# Altium PCB Evaluation Board.PcbDoc (part 18 of 22) (continued)
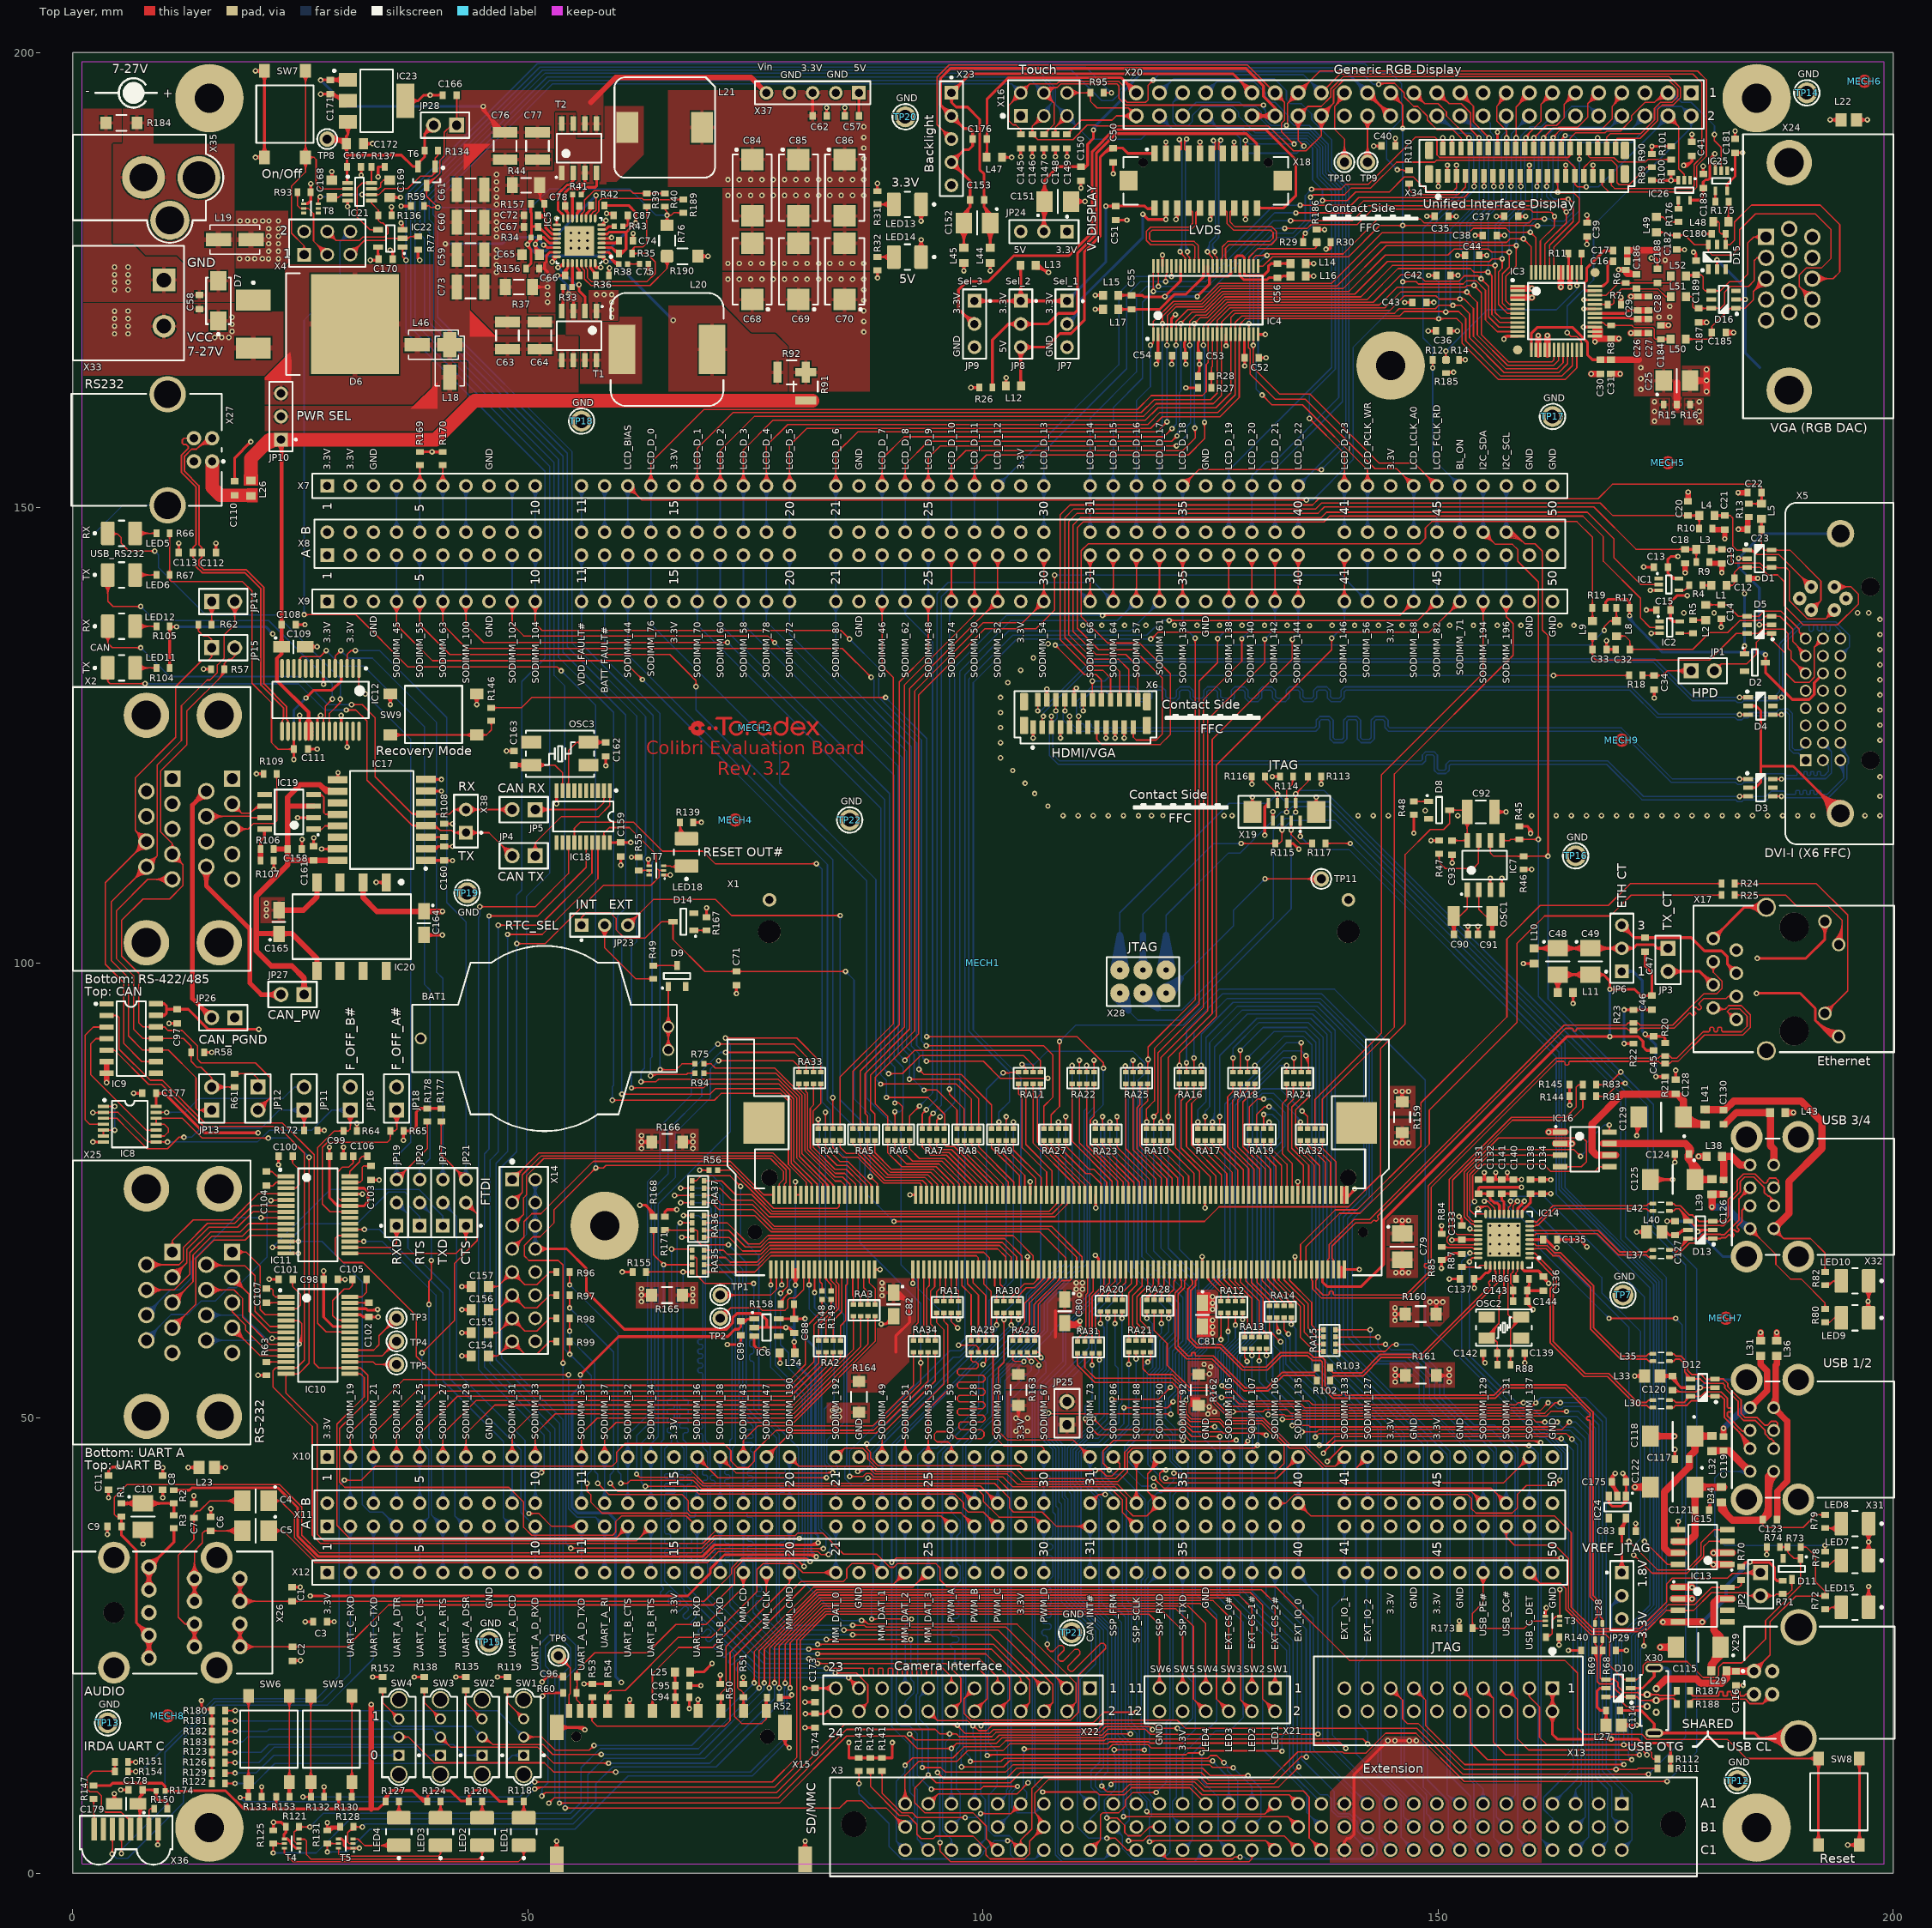
[diagram p0: Top Layer view]
## Nets (pads, with @x,y where several pads share a name; then routed paths per layer and width w, separated by ;. In a path a pad name is that pad's centre, name@x,y a point inside that pad or via, vN(x,y) a via of type N, cw(c..) or ccw(c..) an arc to the next point about the centre after c; other vN are vias at no path point) (continued)
  Bottom Layer w0.15: v2@113.43,6.23 ccw(c113.046,6.614) 113.589,6.614 ccw(c114.132,6.614) v2@113.748,6.23 ; v2(113.589,6.071) 113.589,6.689 113.325,6.952 113.325,8.024 114.575,9.274 114.575,12.702 114.402,12.875 v1(114.402,13.564) ; v1@113.868,44.073 cw(c113.868,43.529) 114.252,43.913 cw(c114.636,44.298) v1@114.093,44.298 ; v1(113.868,44.298) 114.376,43.79 115.069,43.79 117.815,41.044 117.815,32.616 117.375,32.176 117.375,16.168 117.729,15.814 v1(117.729,13.538) ; v1@114.243,13.405 cw(c113.858,13.02) 114.402,13.02 cw(c114.945,13.02) v1@114.561,13.405 ; v1@117.57,13.697 ccw(c117.186,14.081) 117.729,14.081 ccw(c118.272,14.081) v1@117.888,13.697 ; v1@120.198,82.95 cw(c119.814,82.566) 120.358,82.566 cw(c120.901,82.566) v1@120.517,82.95 ; v1(120.358,83.109) 120.358,68.659 123.325,65.692 123.325,57.947 122.139,56.761 122.139,52.6 121.8,52.261 121.8,51.3 122.166,50.934 122.166,47.744 v1(121.945,47.523) ; v1@121.786,47.682 ccw(c120.871,48.598) 122.166,48.598 ; v1@121.892,47.576 ccw(c121.233,48.236) 122.166,48.236 ; v1@121.998,47.47 ccw(c121.595,47.874) 122.166,47.874 ; v1(133.975,135.525) 134.62,136.17 X9.40@134.62,139.7 ; v1@133.975,135.75 ccw(c133.975,136.293) 134.359,135.909 ccw(c134.743,135.525) v1@134.2,135.525 ; X9.40@134.143,139.223 cw(c132.99,138.07) 134.62,138.07 cw(c136.25,138.07) X9.40@135.097,139.223 ; X9.40@134.249,139.329 cw(c133.353,138.433) 134.62,138.433 cw(c135.887,138.433) X9.40@134.991,139.329 ; X9.40@134.355,139.435 cw(c133.715,138.795) 134.62,138.795 cw(c135.525,138.795) X9.40@134.885,139.435
SODIMM_144_S: RA10.4 X1.144 | length 8.2
  Top Layer w0.15: RA10.4@120.234,80.369 cw(c119.935,80.07) 120.358,80.07 cw(c120.78,80.07) RA10.4@120.481,80.369 ; RA10.4@120.358,80.493 120.358,79.693 123.182,76.868 X1.144@123.182,74.516 ; X1.144@123.111,75.412 ccw(c122.941,75.583) 123.182,75.583 ccw(c123.423,75.583) X1.144@123.253,75.412
SODIMM_146: RA16.5 X3.A21 X8.A41 X9.41 | length 193.5
  Top Layer w0.15: v1(120.955,43.942) 131.992,43.942 133.055,45.005 133.055,46.896 131.64,48.312 131.64,48.325 130.57,49.395 126.524,49.395 126.019,49.9 122.875,49.9 122.325,50.45 v1(122.325,51.975) ; v1@121.114,43.783 cw(c121.498,43.399) 121.498,43.942 cw(c121.498,44.485) v1@121.114,44.101 ; v1@121.405,88.881 ccw(c121.021,89.265) 121.564,89.265 ccw(c122.108,89.265) v1@121.723,88.881 ; RA16.5@121.441,88.114 ccw(c121.142,88.413) 121.564,88.413 ccw(c121.987,88.413) RA16.5@121.688,88.114 ; RA16.5@121.564,87.99 v1(121.564,88.722) 121.564,90.064 125.625,94.125 125.625,121.725 138.3,134.4 v1(138.3,135.675) ; v1@138.141,135.516 cw(c137.757,135.132) 138.3,135.132 cw(c138.843,135.132) v1@138.459,135.516 ; X9.41@139.223,140.177 ccw(c138.07,141.33) 139.7,141.33 ccw(c141.33,141.33) X9.41@140.177,140.177 ; X8.A41@139.223,144.303 cw(c138.07,143.15) 139.7,143.15 cw(c141.33,143.15) X8.A41@140.177,144.303 ; X9.41@139.329,140.071 ccw(c138.433,140.967) 139.7,140.967 ccw(c140.967,140.967) X9.41@140.071,140.071 ; X8.A41@139.329,144.409 cw(c138.433,143.513) 139.7,143.513 cw(c140.967,143.513) X8.A41@140.071,144.409 ; X9.41@139.435,139.965 ccw(c138.795,140.605) 139.7,140.605 ccw(c140.605,140.605) X9.41@139.965,139.965 ; X8.A41@139.435,144.515 cw(c138.795,143.875) 139.7,143.875 cw(c140.605,143.875) X8.A41@139.965,144.515 ; X9.41@139.7,139.7 X8.A41@139.7,144.78
  Bottom Layer w0.15: X3.A21@119.38,7.823 X3.A21@119.38,7.62 118.254,8.746 118.254,15.253 118.093,15.414 118.093,15.874 117.805,16.162 117.805,32.182 118.115,32.492 118.115,40.754 119.153,41.791 119.616,41.791 120.955,43.13 v1(120.955,43.942) ; v1@120.796,43.783 cw(c120.412,43.399) 120.955,43.399 cw(c121.498,43.399) v1@121.114,43.783 ; v1@121.405,88.563 cw(c121.021,88.179) 121.564,88.179 cw(c122.108,88.179) v1@121.723,88.563 ; v1(121.564,88.722) 121.564,68.54 123.675,66.429 123.675,57.873 122.6,56.798 122.6,52.625 122.325,52.35 ; v1@122.219,52.174 ccw(c122.125,52.35) 122.325,52.35 ; v1(122.325,51.975) 122.325,52.35 ; v1@122.431,52.174 cw(c122.525,52.35) 122.325,52.35 ; v1(138.3,135.675) 139.7,137.075 X9.41@139.7,139.7 ; v1@138.3,135.9 ccw(c138.3,136.443) 138.684,136.059 ccw(c139.068,135.675) v1@138.525,135.675 ; X9.41@139.223,139.223 cw(c138.07,138.07) 139.7,138.07 cw(c141.33,138.07) X9.41@140.177,139.223 ; X9.41@139.329,139.329 cw(c138.433,138.433) 139.7,138.433 cw(c140.967,138.433) X9.41@140.071,139.329 ; X9.41@139.435,139.435 cw(c138.795,138.795) 139.7,138.795 cw(c140.605,138.795) X9.41@139.965,139.435
SODIMM_146_S: RA16.1 X1.146 | length 14.5
  Top Layer w0.15: RA16.1@121.441,86.566 cw(c121.142,86.268) 121.564,86.268 cw(c121.987,86.268) RA16.1@121.688,86.566 ; RA16.1@121.564,86.69 121.564,85.801 121.158,85.395 121.158,79.705 123.782,77.081 X1.146@123.782,74.516 ; X1.146@123.711,75.412 ccw(c123.541,75.583) 123.782,75.583 ccw(c124.023,75.583) X1.146@123.853,75.412
SODIMM_149_S: RA12.4 X1.149 | length 6.2
  Top Layer w0.15: X1.149@124.611,65.421 cw(c124.441,65.25) 124.682,65.25 cw(c124.923,65.25) X1.149@124.753,65.421 ; X1.149@124.632,65.491 ccw(c125.111,65.491) 124.772,65.153 ; X1.149@124.682,66.316 124.682,65.243 126.124,63.801 RA12.4@126.124,62.84 ; X1.149@124.782,65.491 ccw(c125.623,65.491) 125.028,64.897 ; RA12.4@126,62.963 ccw(c125.702,63.262) 126.124,63.262 ccw(c126.546,63.262) RA12.4@126.248,62.963
SODIMM_150_S: RA16.2 X1.150 | length 14.8
  Top Layer w0.15: RA16.2@122.241,86.566 cw(c121.942,86.268) 122.364,86.268 cw(c122.787,86.268) RA16.2@122.488,86.566 ; RA16.2@122.364,86.69 122.364,85.458 121.768,84.861 121.768,79.68 124.982,76.465 X1.150@124.982,74.516 ; X1.150@124.911,75.412 ccw(c124.741,75.583) 124.982,75.583 ccw(c125.223,75.583) X1.150@125.053,75.412
SODIMM_151_S: RA12.3 X1.151 | length 5.6
  Top Layer w0.15: X1.151@125.232,65.491 ccw(c125.53,65.491) 125.319,65.281 ; X1.151@125.282,66.316 125.282,65.318 126.924,63.676 RA12.3@126.924,62.84 ; X1.151@125.382,65.491 ccw(c126.042,65.491) 125.575,65.025 ; RA12.3@126.8,62.963 ccw(c126.502,63.262) 126.924,63.262 ccw(c127.346,63.262) RA12.3@127.048,62.963
SODIMM_152_S: RA16.3 X1.152 | length 14.9
  Top Layer w0.15: RA16.3@123.041,86.566 cw(c122.742,86.268) 123.164,86.268 cw(c123.587,86.268) RA16.3@123.288,86.566 ; RA16.3@123.164,86.69 123.164,85.395 122.352,84.582 122.352,79.832 125.582,76.602 X1.152@125.582,74.516 ; X1.152@125.511,75.412 ccw(c125.341,75.583) 125.582,75.583 ccw(c125.823,75.583) X1.152@125.653,75.412
SODIMM_153_S: RA12.2 X1.153 | length 5.3
  Top Layer w0.15: X1.153@125.811,65.421 cw(c125.641,65.25) 125.882,65.25 cw(c126.123,65.25) X1.153@125.953,65.421 ; X1.153@125.882,66.316 125.882,65.177 127.724,63.335 RA12.2@127.724,62.84 ; RA12.2@127.6,62.963 ccw(c127.302,63.262) 127.724,63.262 ccw(c128.146,63.262) RA12.2@127.848,62.963
SODIMM_154_S: RA16.4 X1.154 | length 15
  Top Layer w0.15: RA16.4@123.841,86.566 cw(c123.542,86.268) 123.964,86.268 cw(c124.387,86.268) RA16.4@124.088,86.566 ; RA16.4@123.964,86.69 123.964,85.61 122.911,84.557 122.911,79.985 126.182,76.713 X1.154@126.182,74.516 ; X1.154@126.111,75.412 ccw(c125.941,75.583) 126.182,75.583 ccw(c126.423,75.583) X1.154@126.253,75.412
SODIMM_155_S: RA12.1 X1.155 | length 5.1
  Top Layer w0.15: X1.155@126.411,65.421 cw(c126.241,65.25) 126.482,65.25 cw(c126.723,65.25) X1.155@126.553,65.421 ; X1.155@126.482,66.316 126.482,65.212 128.524,63.17 ; RA12.1@128.426,62.984 ccw(c128.3,63.17) 128.524,63.17 ; RA12.1@128.524,62.84 128.524,63.17 ; RA12.1@128.622,62.984 cw(c128.748,63.17) 128.524,63.17
SODIMM_156_S: RA17.1 X1.156 | length 8.3
  Top Layer w0.15: RA17.1@123.473,80.369 cw(c123.174,80.07) 123.596,80.07 cw(c124.019,80.07) RA17.1@123.72,80.369 ; RA17.1@123.596,80.493 123.596,80.035 126.782,76.85 X1.156@126.782,74.516 ; X1.156@126.711,75.412 ccw(c126.541,75.583) 126.782,75.583 ccw(c127.023,75.583) X1.156@126.853,75.412
SODIMM_157_S: RA13.4 X1.157 | length 9.4
  Top Layer w0.15: X1.157@127.011,65.421 cw(c126.841,65.25) 127.082,65.25 cw(c127.323,65.25) X1.157@127.153,65.421 ; X1.157@127.082,66.316 127.082,65.178 129.049,63.211 129.049,60.164 128.74,59.855 RA13.4@128.74,58.903 ; RA13.4@128.616,59.026 ccw(c128.318,59.325) 128.74,59.325 ccw(c129.163,59.325) RA13.4@128.864,59.026
SODIMM_158_S: RA17.2 X1.158 | length 8.3
  Top Layer w0.15: RA17.2@124.273,80.369 cw(c123.974,80.07) 124.396,80.07 cw(c124.819,80.07) RA17.2@124.52,80.369 ; RA17.2@124.396,80.493 124.396,79.947 127.382,76.961 X1.158@127.382,74.516 ; X1.158@127.311,75.412 ccw(c127.141,75.583) 127.382,75.583 ccw(c127.623,75.583) X1.158@127.453,75.412
SODIMM_159_S: RA13.3 X1.159 | length 9.2
  Top Layer w0.15: X1.159@127.611,65.421 cw(c127.431,65.241) 127.686,65.241 ; X1.159@127.682,66.316 127.686,66.313 127.686,64.999 129.54,63.144 RA13.3@129.54,58.903 ; 127.686,65.259 cw(c127.914,65.259) X1.159@127.753,65.421 ; RA13.3@129.416,59.026 ccw(c129.118,59.325) 129.54,59.325 ccw(c129.963,59.325) RA13.3@129.664,59.026
SODIMM_160_S: RA17.3 X1.160 | length 8.2
  Top Layer w0.15: RA17.3@125.073,80.369 cw(c124.774,80.07) 125.196,80.07 cw(c125.619,80.07) RA17.3@125.32,80.369 ; RA17.3@125.196,80.493 125.196,80.036 127.982,77.25 X1.160@127.982,74.516 ; X1.160@127.911,75.412 ccw(c127.741,75.583) 127.982,75.583 ccw(c128.223,75.583) X1.160@128.053,75.412
SODIMM_161_S: RA13.2 X1.161 | length 9.3
  Top Layer w0.15: X1.161@128.211,65.421 cw(c128.041,65.25) 128.282,65.25 cw(c128.523,65.25) X1.161@128.353,65.421 ; X1.161@128.282,66.316 128.282,64.936 130.34,62.878 RA13.2@130.34,58.903 ; RA13.2@130.216,59.026 ccw(c129.918,59.325) 130.34,59.325 ccw(c130.763,59.325) RA13.2@130.464,59.026
SODIMM_162_S: RA17.4 X1.162 | length 8.1
  Top Layer w0.15: RA17.4@125.873,80.369 cw(c125.574,80.07) 125.996,80.07 cw(c126.419,80.07) RA17.4@126.12,80.369 ; RA17.4@125.996,80.493 125.996,79.871 128.582,77.285 X1.162@128.582,74.516 ; X1.162@128.511,75.412 ccw(c128.341,75.583) 128.582,75.583 ccw(c128.823,75.583) X1.162@128.653,75.412
SODIMM_163_S: RA13.1 X1.163 | length 9.2
  Top Layer w0.15: X1.163@128.811,65.421 cw(c128.641,65.25) 128.882,65.25 cw(c129.123,65.25) X1.163@128.953,65.421 ; X1.163@128.882,66.316 128.882,65.047 130.759,63.17 130.759,59.639 131.14,59.258 ; RA13.1@131.033,59.041 ccw(c130.866,59.258) 131.14,59.258 ; RA13.1@131.14,58.903 131.14,59.258 ; RA13.1@131.247,59.041 cw(c131.414,59.258) 131.14,59.258
SODIMM_164_S: RA18.1 X1.164 | length 14.4
  Top Layer w0.15: RA18.1@127.333,86.566 cw(c127.035,86.268) 127.457,86.268 cw(c127.88,86.268) RA18.1@127.581,86.566 ; RA18.1@127.457,86.69 127.457,85.877 126.873,85.293 126.873,79.727 129.182,77.418 X1.164@129.182,74.516 ; X1.164@129.111,75.412 ccw(c128.941,75.583) 129.182,75.583 ccw(c129.423,75.583) X1.164@129.253,75.412
SODIMM_165_S: RA14.4 X1.165 | length 5.8
  Top Layer w0.15: X1.165@129.411,65.421 cw(c129.241,65.25) 129.482,65.25 cw(c129.723,65.25) X1.165@129.553,65.421 ; X1.165@129.482,66.316 129.482,64.871 131.458,62.895 RA14.4@131.458,62.332 ; RA14.4@131.334,62.455 ccw(c131.036,62.754) 131.458,62.754 ccw(c131.88,62.754) RA14.4@131.582,62.455
SODIMM_166_S: RA18.2 X1.166 | length 14.6
  Top Layer w0.15: RA18.2@128.133,86.566 cw(c127.835,86.268) 128.257,86.268 cw(c128.68,86.268) RA18.2@128.381,86.566 ; RA18.2@128.257,86.69 128.257,85.738 127.4,84.88 127.4,79.725 129.782,77.343 X1.166@129.782,74.516 ; X1.166@129.711,75.412 ccw(c129.541,75.583) 129.782,75.583 ccw(c130.023,75.583) X1.166@129.853,75.412
SODIMM_167_S: RA14.3 X1.167 | length 5.9
  Top Layer w0.15: X1.167@130.011,65.421 cw(c129.841,65.25) 130.082,65.25 cw(c130.323,65.25) X1.167@130.153,65.421 ; X1.167@130.082,66.316 130.082,64.918 132.258,62.742 ; RA14.3@132.137,62.458 ccw(c131.864,62.742) 132.258,62.742 ; RA14.3@132.258,62.332 132.258,62.742 ; RA14.3@132.379,62.458 cw(c132.652,62.742) 132.258,62.742
SODIMM_168_S: RA18.3 X1.168 | length 14.7
  Top Layer w0.15: RA18.3@128.933,86.566 cw(c128.635,86.268) 129.057,86.268 cw(c129.48,86.268) RA18.3@129.181,86.566 ; RA18.3@129.057,86.69 129.057,86.028 127.975,84.946 127.975,79.789 130.382,77.383 X1.168@130.382,74.516 ; X1.168@130.311,75.412 ccw(c130.141,75.583) 130.382,75.583 ccw(c130.623,75.583) X1.168@130.453,75.412
SODIMM_169_S: RA14.2 X1.169 | length 5.9
  Top Layer w0.15: X1.169@130.611,65.421 cw(c130.441,65.25) 130.682,65.25 cw(c130.923,65.25) X1.169@130.753,65.421 ; X1.169@130.682,66.316 130.682,65.076 133.058,62.7 ; RA14.2@132.948,62.467 ccw(c132.758,62.7) 133.058,62.7 ; RA14.2@133.058,62.332 133.058,62.7 ; RA14.2@133.169,62.467 cw(c133.358,62.7) 133.058,62.7
SODIMM_170_S: RA18.4 X1.170 | length 14.8
  Top Layer w0.15: RA18.4@129.733,86.566 cw(c129.435,86.268) 129.857,86.268 cw(c130.28,86.268) RA18.4@129.981,86.566 ; RA18.4@129.857,86.622 RA18.4@129.857,86.69 129.857,86.042 128.55,84.735 128.55,79.825 130.982,77.393 X1.170@130.982,74.516 ; X1.170@130.911,75.412 ccw(c130.741,75.583) 130.982,75.583 ccw(c131.223,75.583) X1.170@131.053,75.412
SODIMM_171_S: RA14.1 X1.171 | length 8
  Top Layer w0.15: X1.171@131.211,65.421 cw(c131.041,65.25) 131.282,65.25 cw(c131.523,65.25) X1.171@131.353,65.421 ; X1.171@131.282,66.316 131.282,65.218 133.858,62.642 ; 133.254,63.246 cw(c132.34,62.332) RA14.1@133.633,62.332 ; 133.51,62.99 cw(c132.853,62.332) RA14.1@133.783,62.332 ; 133.767,62.733 cw(c133.365,62.332) RA14.1@133.933,62.332 ; RA14.1@133.767,62.481 ccw(c133.67,62.642) 133.858,62.642 ; RA14.1@133.858,62.332 133.858,62.642 ; RA14.1@133.949,62.481 cw(c134.046,62.642) 133.858,62.642
SODIMM_172_S: RA19.1 X1.172 | length 8
  Top Layer w0.15: RA19.1@129.111,80.369 cw(c128.813,80.07) 129.235,80.07 cw(c129.658,80.07) RA19.1@129.359,80.369 ; RA19.1@129.235,80.493 129.235,79.731 131.582,77.384 X1.172@131.582,74.516 ; X1.172@131.511,75.412 ccw(c131.341,75.583) 131.582,75.583 ccw(c131.823,75.583) X1.172@131.653,75.412
SODIMM_173_S: RA15.4 X1.173 | length 14
  Top Layer w0.15: X1.173@131.811,65.421 cw(c131.641,65.25) 131.882,65.25 cw(c132.123,65.25) X1.173@131.953,65.421 ; X1.173@131.832,65.491 ccw(c132.311,65.491) 131.972,65.153 ; X1.173@131.882,66.316 131.882,65.243 134.85,62.275 134.85,58.875 136.41,57.315 RA15.4@137.414,57.315 ; X1.173@131.982,65.491 ccw(c132.823,65.491) 132.228,64.897 ; RA15.4@137.29,57.191 ccw(c136.992,56.893) 136.992,57.315 ccw(c136.992,57.737) RA15.4@137.29,57.439
SODIMM_174_S: RA19.2 X1.174 | length 7.9
  Top Layer w0.15: RA19.2@129.911,80.369 cw(c129.613,80.07) 130.035,80.07 cw(c130.458,80.07) RA19.2@130.159,80.369 ; RA19.2@130.035,80.493 130.035,79.79 132.182,77.643 X1.174@132.182,74.516 ; X1.174@132.111,75.412 ccw(c131.941,75.583) 132.182,75.583 ccw(c132.423,75.583) X1.174@132.253,75.412
SODIMM_175_S: RA15.3 X1.175 | length 11.8
  Top Layer w0.15: X1.175@132.411,65.421 cw(c132.241,65.25) 132.482,65.25 cw(c132.723,65.25) X1.175@132.553,65.421 ; X1.175@132.482,66.316 132.482,65.143 135.3,62.325 135.3,59.425 136.61,58.115 RA15.3@137.414,58.115 ; RA15.3@137.29,57.991 ccw(c136.992,57.693) 136.992,58.115 ccw(c136.992,58.537) RA15.3@137.29,58.239
SODIMM_176_S: RA19.3 X1.176 | length 7.8
  Top Layer w0.15: RA19.3@130.711,80.369 cw(c130.413,80.07) 130.835,80.07 cw(c131.258,80.07) RA19.3@130.959,80.369 ; RA19.3@130.835,80.493 130.835,79.705 132.782,77.759 X1.176@132.782,74.516 ; X1.176@132.711,75.412 ccw(c132.541,75.583) 132.782,75.583 ccw(c133.023,75.583) X1.176@132.853,75.412
SODIMM_177_S: RA15.2 X1.177 | length 10.7
  Top Layer w0.15: X1.177@133.011,65.421 cw(c132.841,65.25) 133.082,65.25 cw(c133.323,65.25) X1.177@133.153,65.421 ; X1.177@133.082,66.316 133.082,65.168 135.7,62.55 135.7,59.875 136.66,58.915 RA15.2@137.414,58.915 ; RA15.2@137.29,58.791 ccw(c136.992,58.493) 136.992,58.915 ccw(c136.992,59.337) RA15.2@137.29,59.039
SODIMM_178_S: RA19.4 X1.178 | length 7.7
  Top Layer w0.15: RA19.4@131.511,80.369 cw(c131.213,80.07) 131.635,80.07 cw(c132.058,80.07) RA19.4@131.759,80.369 ; RA19.4@131.635,80.493 131.635,79.617 133.382,77.87 X1.178@133.382,74.516 ; X1.178@133.311,75.412 ccw(c133.141,75.583) 133.382,75.583 ccw(c133.623,75.583) X1.178@133.453,75.412
SODIMM_179_S: RA15.1 X1.179 | length 9.7
  Top Layer w0.15: X1.179@133.611,65.421 cw(c133.441,65.25) 133.682,65.25 cw(c133.923,65.25) X1.179@133.753,65.421 ; X1.179@133.682,66.316 133.682,65.118 136.109,62.691 136.109,60.216 136.61,59.715 RA15.1@137.414,59.715 ; RA15.1@137.29,59.591 ccw(c136.992,59.293) 136.992,59.715 ccw(c136.992,60.137) RA15.1@137.29,59.839
SODIMM_180_S: RA24.1 X1.180 | length 13.9
  Top Layer w0.15: RA24.1@133.226,86.566 cw(c132.928,86.268) 133.35,86.268 cw(c133.772,86.268) RA24.1@133.474,86.566 ; RA24.1@133.35,86.69 133.35,85 132.9,84.55 132.9,79.012 133.96,77.953 133.96,74.539 X1.180@133.982,74.516 ; X1.180@133.911,75.412 ccw(c133.795,75.529) 133.96,75.529 ; 133.96,75.637 ccw(c134.277,75.637) X1.180@134.053,75.412
SODIMM_184_S: RA24.2 X1.184 | length 14.2
  Top Layer w0.15: RA24.2@133.976,86.566 cw(c133.71,86.3) 134.087,86.3 ; 134.087,86.235 cw(c134.555,86.235) RA24.2@134.224,86.566 ; RA24.2@134.15,86.69 134.087,86.627 134.087,85.006 133.475,84.395 133.475,79.453 135.179,77.749 135.179,74.52 X1.184@135.182,74.516 ; X1.184@135.111,75.412 ccw(c134.948,75.575) 135.179,75.575 ; 135.179,75.591 ccw(c135.431,75.591) X1.184@135.253,75.412
SODIMM_186_S: RA24.3 X1.186 | length 14.4
  Top Layer w0.15: RA24.3@134.826,86.566 cw(c134.528,86.268) 134.95,86.268 cw(c135.372,86.268) RA24.3@135.074,86.566 ; RA24.3@134.95,86.69 134.95,85.175 133.925,84.15 133.925,79.625 135.782,77.768 X1.186@135.782,74.516 ; X1.186@135.711,75.412 ccw(c135.541,75.583) 135.782,75.583 ccw(c136.023,75.583) X1.186@135.853,75.412
SODIMM_188_S: RA24.4 X1.188 | length 14.6
  Top Layer w0.15: RA24.4@135.626,86.566 cw(c135.328,86.268) 135.75,86.268 cw(c136.172,86.268) RA24.4@135.874,86.566 ; RA24.4@135.75,86.69 135.75,85.255 134.349,83.854 134.349,79.801 136.382,77.768 X1.188@136.382,74.516 ; X1.188@136.311,75.412 ccw(c136.141,75.583) 136.382,75.583 ccw(c136.623,75.583) X1.188@136.453,75.412
SODIMM_190: RA32.5 X10.20 X11.B20 | length 128.7
  Top Layer w0.15: X10.20@78.74,45.72 79.76,44.7 ; X10.20@78.774,45.347 cw(c78.834,44.68) 79.307,45.153 cw(c79.78,45.626) X10.20@79.113,45.686 ; X10.20@78.787,45.197 cw(c78.871,44.265) 79.533,44.927 cw(c80.195,45.589) X10.20@79.263,45.673 ; X10.20@78.801,45.048 cw(c78.909,43.849) 79.76,44.7 ; X10.20@79.412,45.659 ccw(c80.611,45.551) 79.76,44.7 ; v1@129.927,46.985 cw(c129.586,46.938) 129.829,46.695 ; v1@130.119,46.792 ccw(c130.072,46.452) 129.829,46.695 ; v1(130.15,47.015) 129.829,46.695 ; RA32.5@134.75,81.916 ccw(c134.452,82.215) 134.874,82.215 ccw(c135.296,82.215) RA32.5@134.998,81.916 ; RA32.5@134.874,81.793 v1(134.874,82.525) ; 79.76,44.7 87.693,44.7 88.248,44.145 103.13,44.145 104.245,43.03 114.83,43.03 115.865,44.065 115.865,46.124 116.436,46.695 129.829,46.695
  Bottom Layer w0.15: X11.B20@78.263,41.117 ccw(c77.11,42.27) 78.74,42.27 ccw(c80.37,42.27) X11.B20@79.217,41.117 ; X10.20@78.263,45.243 cw(c77.11,44.09) 78.74,44.09 cw(c80.37,44.09) X10.20@79.217,45.243 ; X11.B20@78.369,41.011 ccw(c77.473,41.907) 78.74,41.907 ccw(c80.007,41.907) X11.B20@79.111,41.011 ; X10.20@78.369,45.349 cw(c77.473,44.453) 78.74,44.453 cw(c80.007,44.453) X10.20@79.111,45.349 ; X11.B20@78.475,40.905 ccw(c77.835,41.545) 78.74,41.545 ccw(c79.645,41.545) X11.B20@79.005,40.905 ; X10.20@78.475,45.455 cw(c77.835,44.815) 78.74,44.815 cw(c79.645,44.815) X10.20@79.005,45.455 ; X11.B20@78.74,40.64 X10.20@78.74,45.72 ; v1@129.991,47.174 ccw(c129.381,47.784) 130.243,47.784 ; v1@130.097,47.068 ccw(c129.744,47.421) 130.243,47.421 ; v1(130.15,47.015) 130.243,47.109 130.243,49.707 127.475,52.475 127.475,56.829 130.1,59.454 130.1,85.1 130.675,85.675 131.912,85.675 134.874,82.713 v1(134.874,82.525) ; 130.243,47.334 ccw(c130.468,47.334) v1@130.309,47.174 ; 134.357,83.23 cw(c133.652,82.525) v1@134.649,82.525 ; 134.613,82.974 cw(c134.164,82.525) v1@134.799,82.525
SODIMM_190_S: RA32.1 X1.190 | length 7.9
  Top Layer w0.15: RA32.1@134.75,80.369 cw(c134.452,80.07) 134.874,80.07 cw(c135.296,80.07) RA32.1@134.998,80.369 ; RA32.1@134.874,80.493 134.874,79.807 136.982,77.699 X1.190@136.982,74.516 ; X1.190@136.911,75.412 ccw(c136.741,75.583) 136.982,75.583 ccw(c137.223,75.583) X1.190@137.053,75.412
SODIMM_192: RA32.6 X10.21 X11.B21 | length 114.9
  Top Layer w0.15: X10.21@83.82,45.72 84.795,46.695 ; X10.21@83.867,46.092 ccw(c83.941,46.682) 84.362,46.262 ccw(c84.782,45.841) X10.21@84.192,45.767 ; X10.21@83.886,46.241 ccw(c83.989,47.067) 84.578,46.478 ccw(c85.167,45.889) X10.21@84.341,45.786 ; X10.21@83.904,46.39 ccw(c84.038,47.452) 84.795,46.695 ; X10.21@84.49,45.804 cw(c85.552,45.938) 84.795,46.695 ; v1@128.858,47.473 cw(c128.315,47.473) 128.699,47.089 cw(c129.083,46.704) v1@129.083,47.248 ; v1(129.083,47.473) 128.605,46.995 116.312,46.995 115.565,46.248 115.565,44.39 114.505,43.33 104.727,43.33 103.612,44.445 88.372,44.445 87.335,45.482 87.335,46.124 86.764,46.695 84.795,46.695 ; v1@135.05,83.5 cw(c135.05,82.938) 135.447,83.335 ; v1(135.05,83.725) 135.058,83.725 135.674,83.109 RA32.6@135.674,81.793 ; v1@135.275,83.725 ccw(c135.799,83.725) 135.429,83.354 ; RA32.6@135.55,81.916 ccw(c135.252,82.215) 135.674,82.215 ccw(c136.096,82.215) RA32.6@135.798,81.916
  Bottom Layer w0.15: X11.B21@83.551,41.259 ccw(c83.372,41.67) 83.82,41.67 ; X11.B21@83.61,41.121 ccw(c83.471,41.441) 83.82,41.441 ccw(c84.169,41.441) X11.B21@84.03,41.121 ; X10.21@83.708,45.054 cw(c83.686,44.922) 83.82,44.922 ; X11.B21@83.82,40.64 83.82,41.67 ; X10.21@83.82,45.72 83.82,44.922 ; X10.21@83.932,45.054 ccw(c83.954,44.922) 83.82,44.922 ; X11.B21@84.089,41.259 cw(c84.268,41.67) 83.82,41.67 ; v1@128.924,47.632 ccw(c128.54,48.016) 129.083,48.016 ccw(c129.626,48.016) v1@129.242,47.632 ; v1(129.083,47.473) 129.083,50.443 127.1,52.426 127.1,56.879 129.575,59.354 129.575,85.075 130.664,86.164 132.619,86.164 135.05,83.733 v1(135.05,83.725) ; 134.66,84.122 cw(c134.263,83.725) v1@134.825,83.725 ; 134.679,84.104 ccw(c135.05,84.474) v1@135.05,83.95 ; 83.82,41.67 84,41.85 84,44.742 83.82,44.922
SODIMM_192_S: RA32.2 X1.192 | length 7.8
  Top Layer w0.15: RA32.2@135.55,80.369 cw(c135.252,80.07) 135.674,80.07 cw(c136.096,80.07) RA32.2@135.798,80.369 ; RA32.2@135.674,80.493 135.674,80.005 137.582,78.097 X1.192@137.582,74.516 ; X1.192@137.511,75.412 ccw(c137.341,75.583) 137.582,75.583 ccw(c137.823,75.583) X1.192@137.653,75.412
SODIMM_194: RA32.7 X8.A47 X9.47 | length 89.2
  Top Layer w0.15: RA32.7@136.35,81.916 ccw(c136.052,82.215) 136.474,82.215 ccw(c136.896,82.215) RA32.7@136.598,81.916 ; RA32.7@136.474,81.793 136.474,84.988 143.775,92.289 143.775,120.661 154.94,131.826 X9.47@154.94,139.7 ; X9.47@154.463,139.223 cw(c153.31,138.07) 154.94,138.07 cw(c156.57,138.07) X9.47@155.417,139.223 ; X9.47@154.569,139.329 cw(c153.673,138.433) 154.94,138.433 cw(c156.207,138.433) X9.47@155.311,139.329 ; X9.47@154.675,139.435 cw(c154.035,138.795) 154.94,138.795 cw(c155.845,138.795) X9.47@155.205,139.435
  Bottom Layer w0.15: X9.47@154.463,140.177 ccw(c153.31,141.33) 154.94,141.33 ccw(c156.57,141.33) X9.47@155.417,140.177 ; X8.A47@154.463,144.303 cw(c153.31,143.15) 154.94,143.15 cw(c156.57,143.15) X8.A47@155.417,144.303 ; X9.47@154.569,140.071 ccw(c153.673,140.967) 154.94,140.967 ccw(c156.207,140.967) X9.47@155.311,140.071 ; X8.A47@154.569,144.409 cw(c153.673,143.513) 154.94,143.513 cw(c156.207,143.513) X8.A47@155.311,144.409 ; X9.47@154.675,139.965 ccw(c154.035,140.605) 154.94,140.605 ccw(c155.845,140.605) X9.47@155.205,139.965 ; X8.A47@154.675,144.515 cw(c154.035,143.875) 154.94,143.875 cw(c155.845,143.875) X8.A47@155.205,144.515 ; X9.47@154.94,139.7 X8.A47@154.94,144.78
SODIMM_194_S: RA32.3 X1.194 | length 7.7
  Top Layer w0.15: RA32.3@136.35,80.369 cw(c136.052,80.07) 136.474,80.07 cw(c136.896,80.07) RA32.3@136.598,80.369 ; RA32.3@136.474,80.493 136.474,79.776 138.182,78.068 X1.194@138.182,74.516 ; X1.194@138.111,75.412 ccw(c137.941,75.583) 138.182,75.583 ccw(c138.423,75.583) X1.194@138.253,75.412
SODIMM_196: RA32.8 X8.A48 X9.48 | length 90.6
  Top Layer w0.15: RA32.8@137.15,81.916 ccw(c136.852,82.215) 137.274,82.215 ccw(c137.696,82.215) RA32.8@137.398,81.916 ; RA32.8@137.274,81.793 137.274,85.026 145.2,92.952 145.2,120.75 158.225,133.775 158.225,137.28 157.48,138.025 X9.48@157.48,139.7 ; X9.48@157.003,139.223 cw(c155.85,138.07) 157.48,138.07 cw(c159.11,138.07) X9.48@157.957,139.223 ; X9.48@157.109,139.329 cw(c156.213,138.433) 157.48,138.433 cw(c158.747,138.433) X9.48@157.851,139.329 ; X9.48@157.215,139.435 cw(c156.575,138.795) 157.48,138.795 cw(c158.385,138.795) X9.48@157.745,139.435
  Bottom Layer w0.15: X9.48@157.003,140.177 ccw(c155.85,141.33) 157.48,141.33 ccw(c159.11,141.33) X9.48@157.957,140.177 ; X8.A48@157.003,144.303 cw(c155.85,143.15) 157.48,143.15 cw(c159.11,143.15) X8.A48@157.957,144.303 ; X9.48@157.109,140.071 ccw(c156.213,140.967) 157.48,140.967 ccw(c158.747,140.967) X9.48@157.851,140.071 ; X8.A48@157.109,144.409 cw(c156.213,143.513) 157.48,143.513 cw(c158.747,143.513) X8.A48@157.851,144.409 ; X9.48@157.215,139.965 ccw(c156.575,140.605) 157.48,140.605 ccw(c158.385,140.605) X9.48@157.745,139.965 ; X8.A48@157.215,144.515 cw(c156.575,143.875) 157.48,143.875 cw(c158.385,143.875) X8.A48@157.745,144.515 ; X9.48@157.48,139.7 X8.A48@157.48,144.78
SODIMM_196_S: RA32.4 X1.196 | length 7.6
  Top Layer w0.15: RA32.4@137.15,80.369 cw(c136.852,80.07) 137.274,80.07 cw(c137.696,80.07) RA32.4@137.398,80.369 ; RA32.4@137.274,80.493 137.274,79.651 138.782,78.143 X1.196@138.782,74.516 ; X1.196@138.711,75.412 ccw(c138.541,75.583) 138.782,75.583 ccw(c139.023,75.583) X1.196@138.853,75.412